# Altium PCB PCB.PcbDoc
Units mil, origin at the board's own origin, x right, y up, seen from the top; angles counter-clockwise.
Board outline 1355 x 1605 mil, 2 copper layers (Top Layer, Bottom Layer); 61 components, 59 nets, 261 pads, 62 vias.
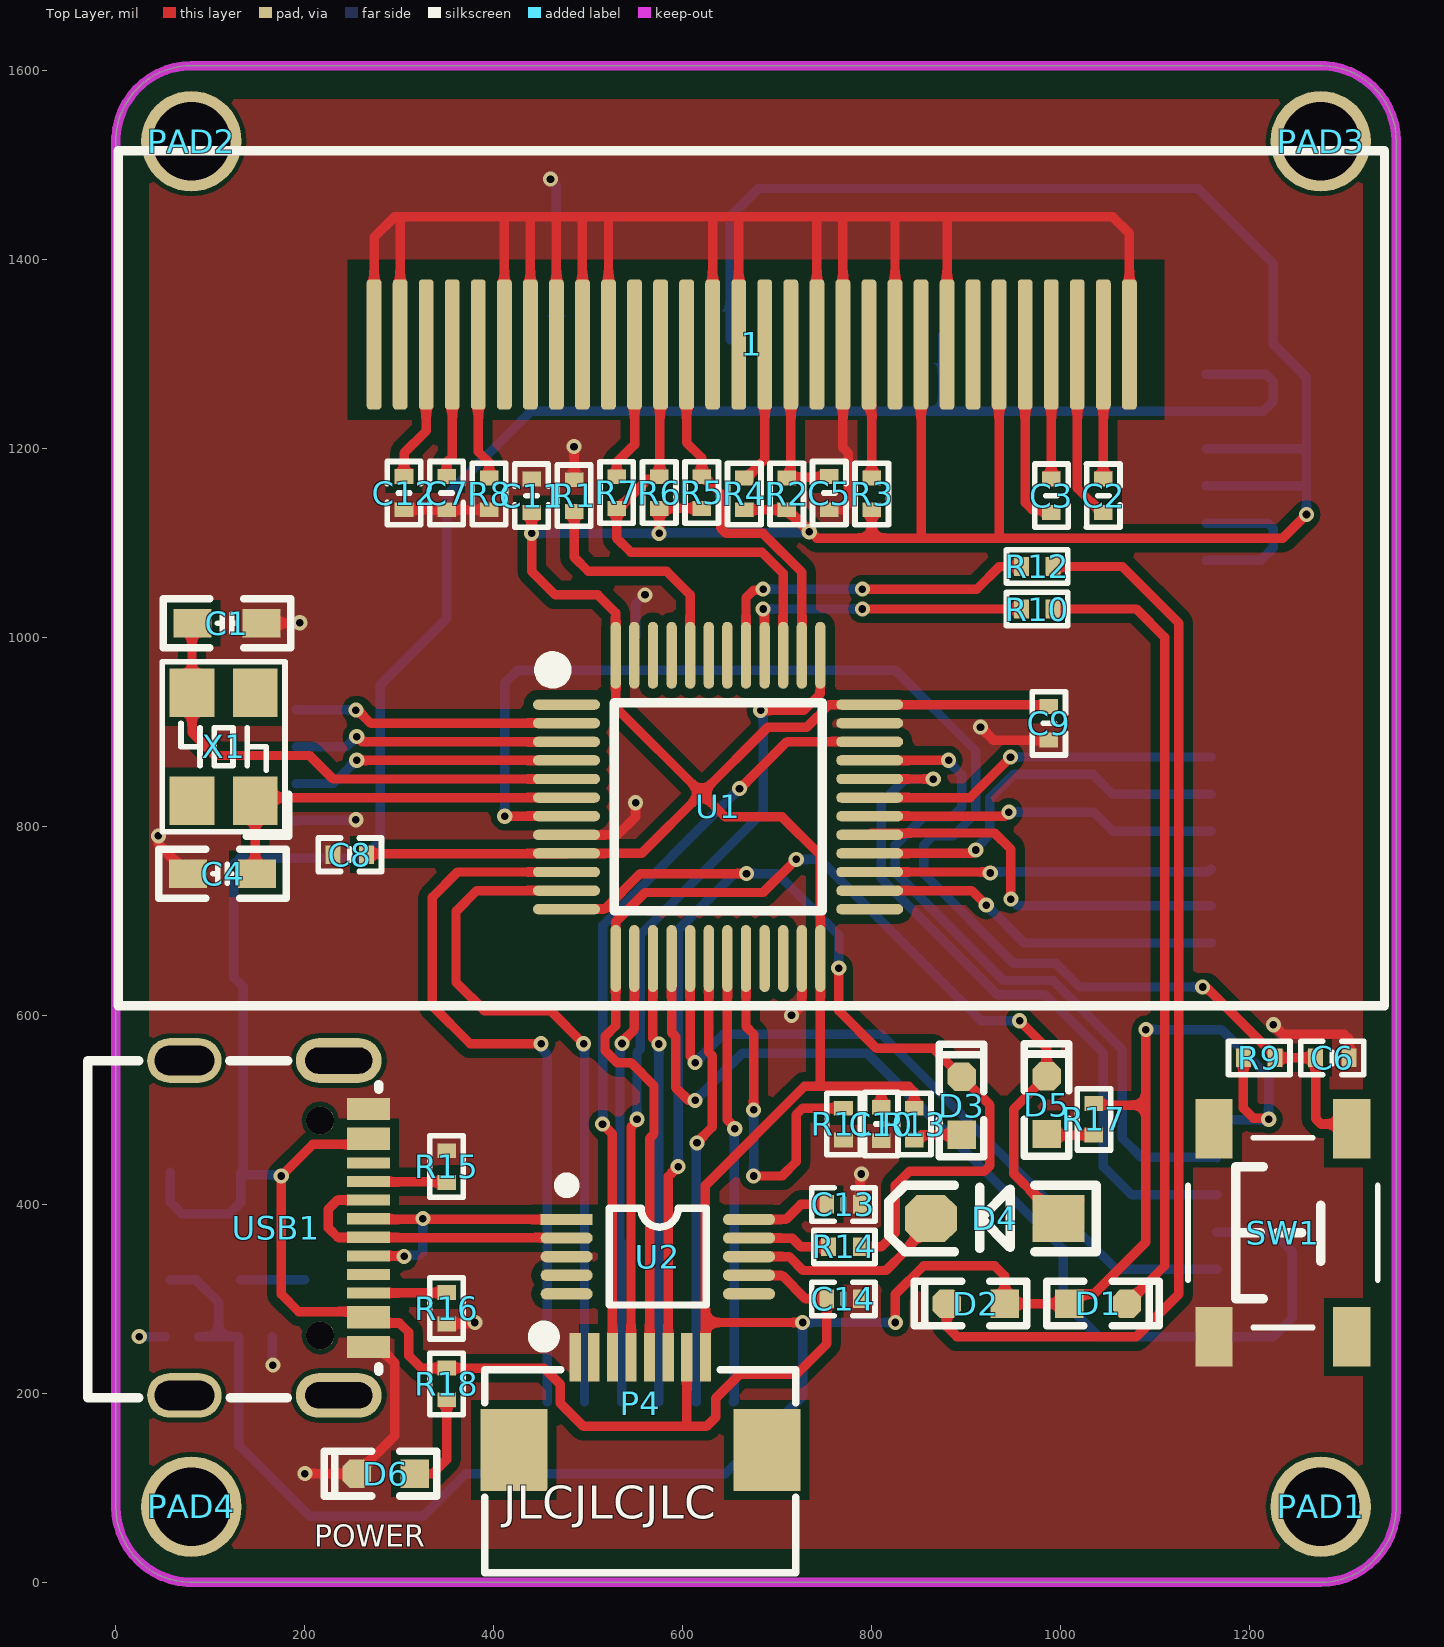
[diagram p0: Top Layer view]
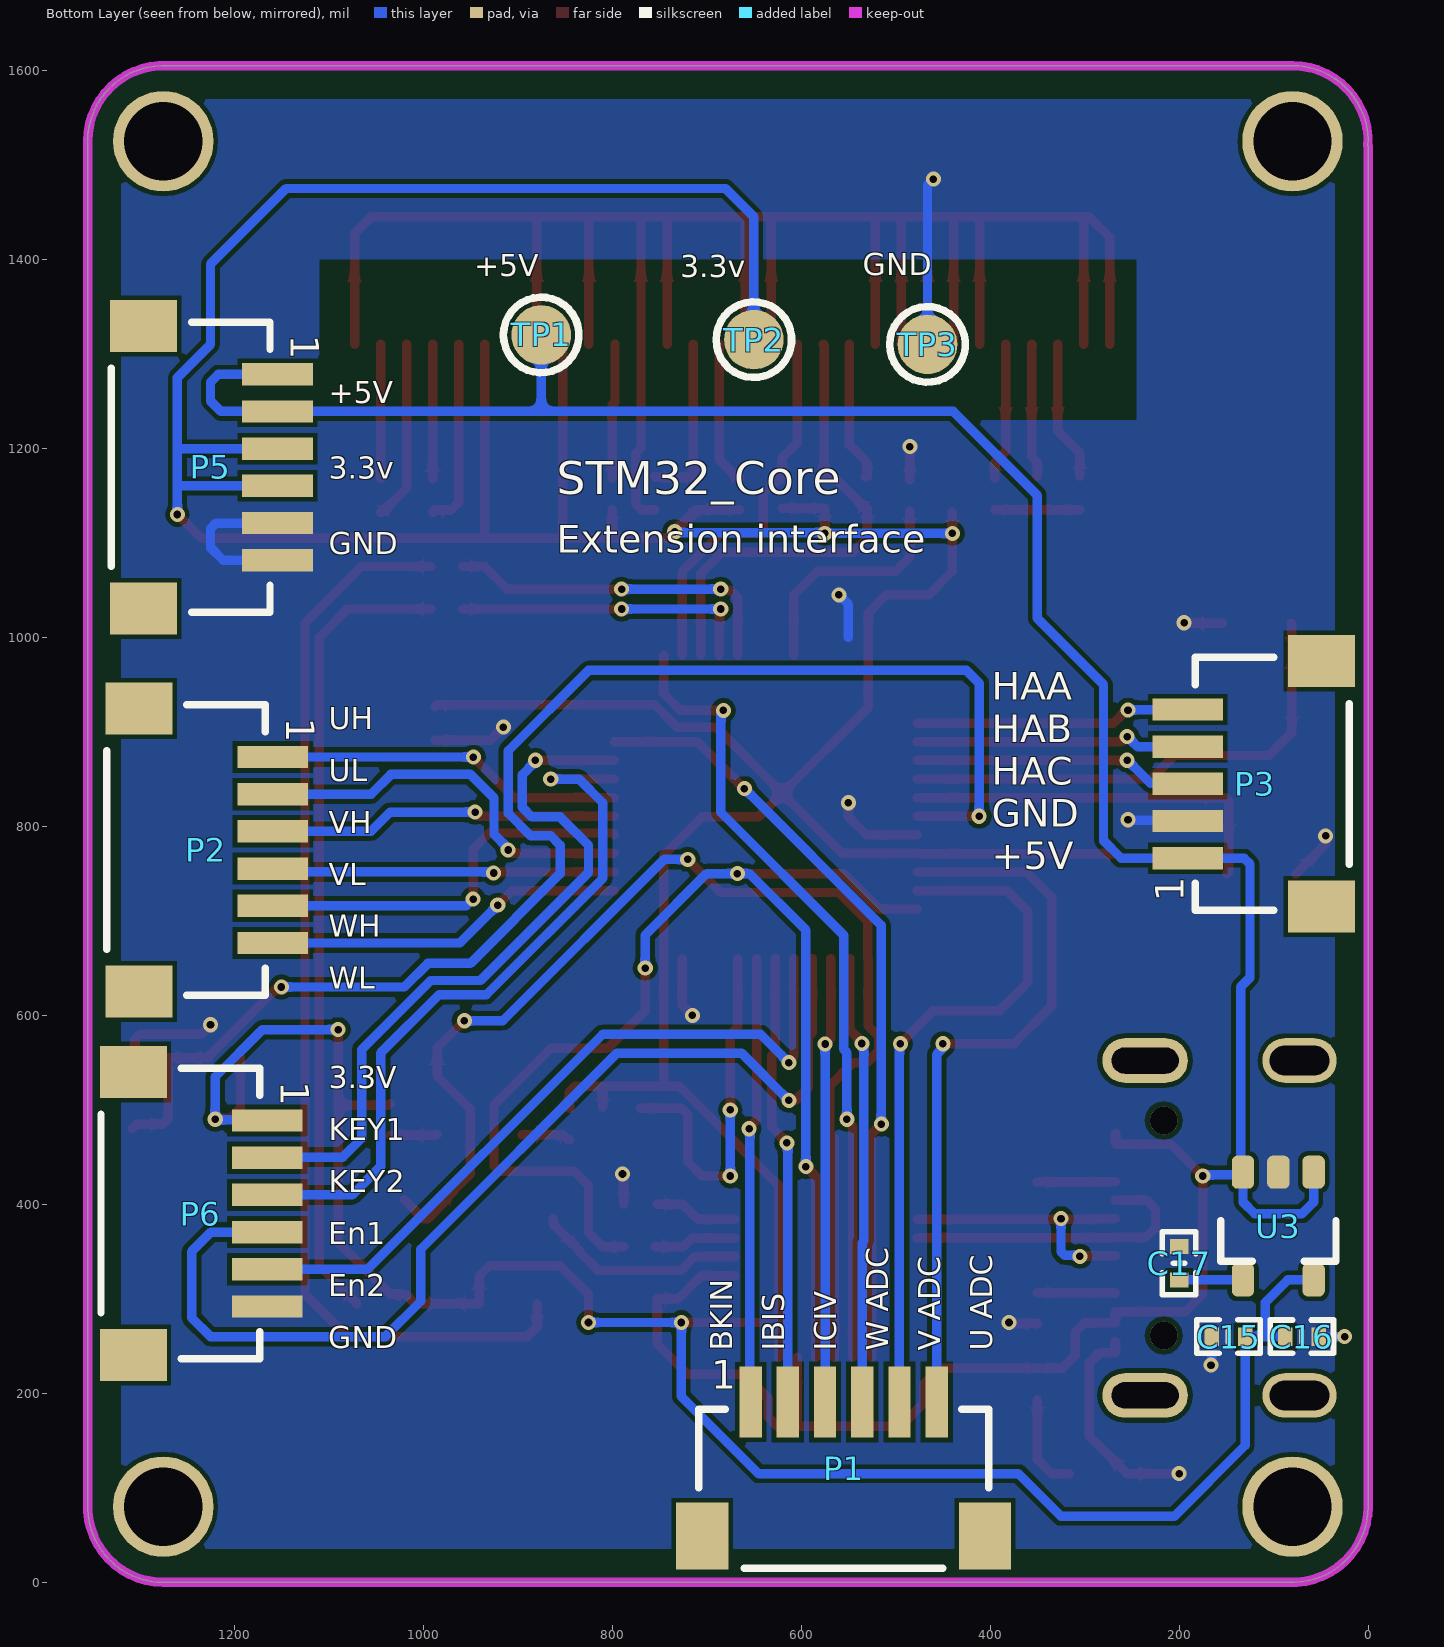
[diagram p1: Bottom Layer view, seen from below]
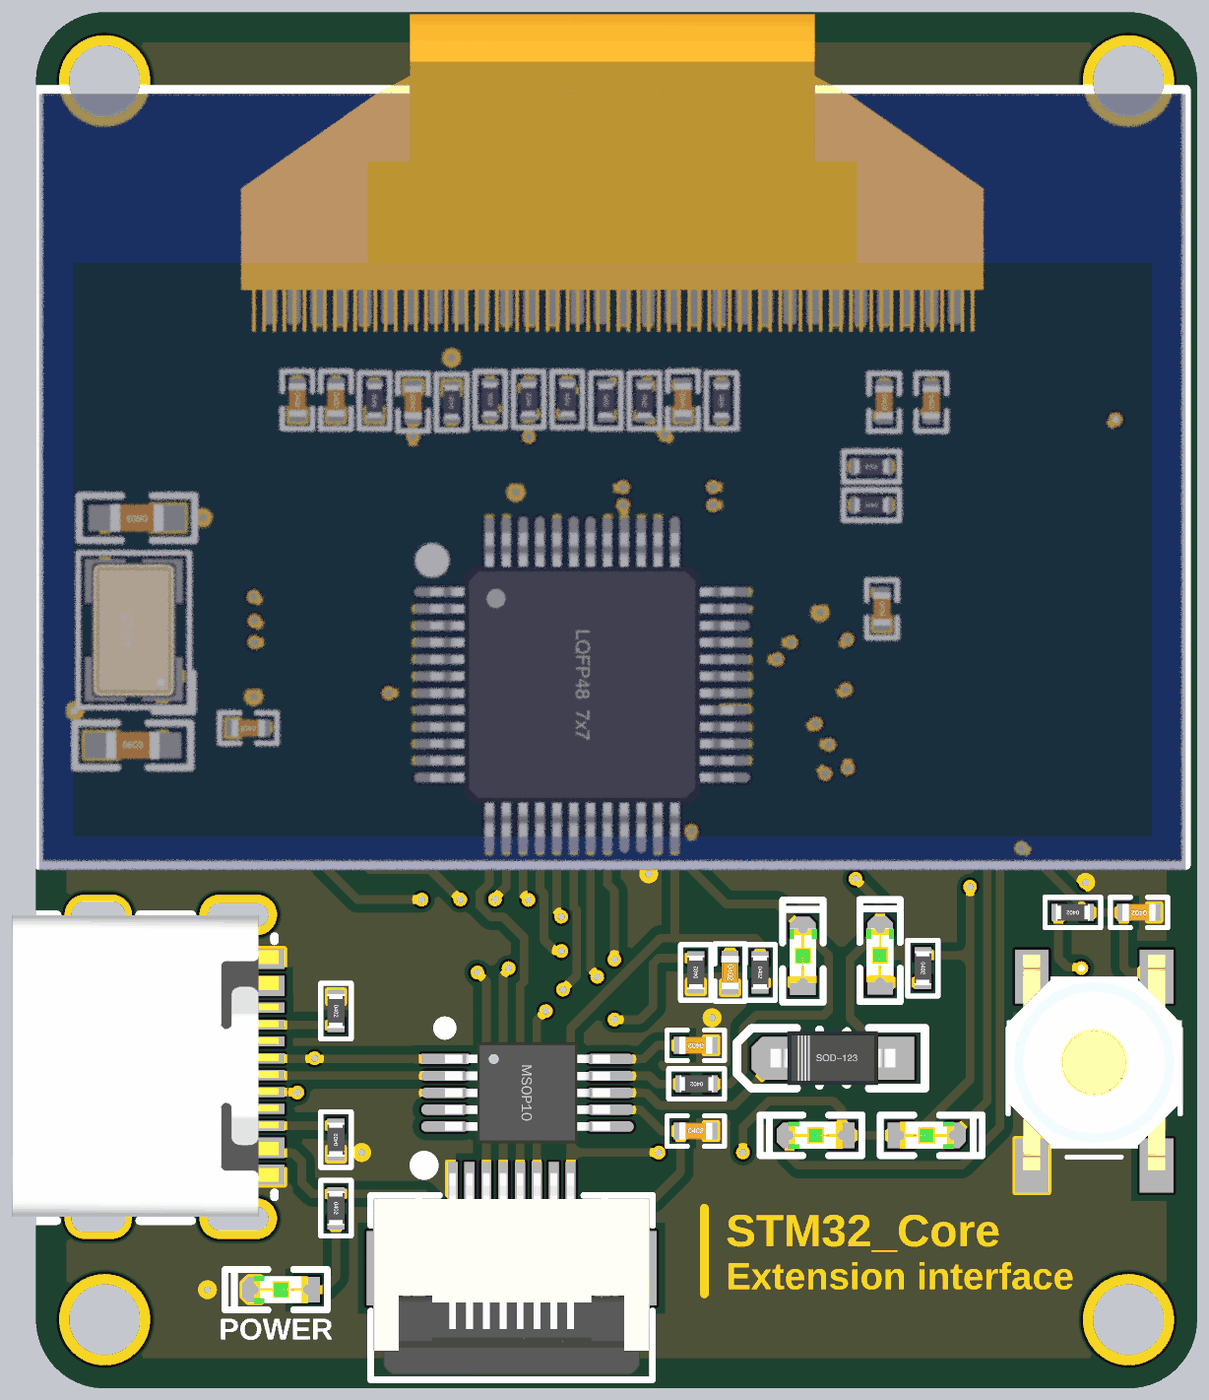
[diagram p2: 3D render of the assembled board from above, using the file's embedded part models]
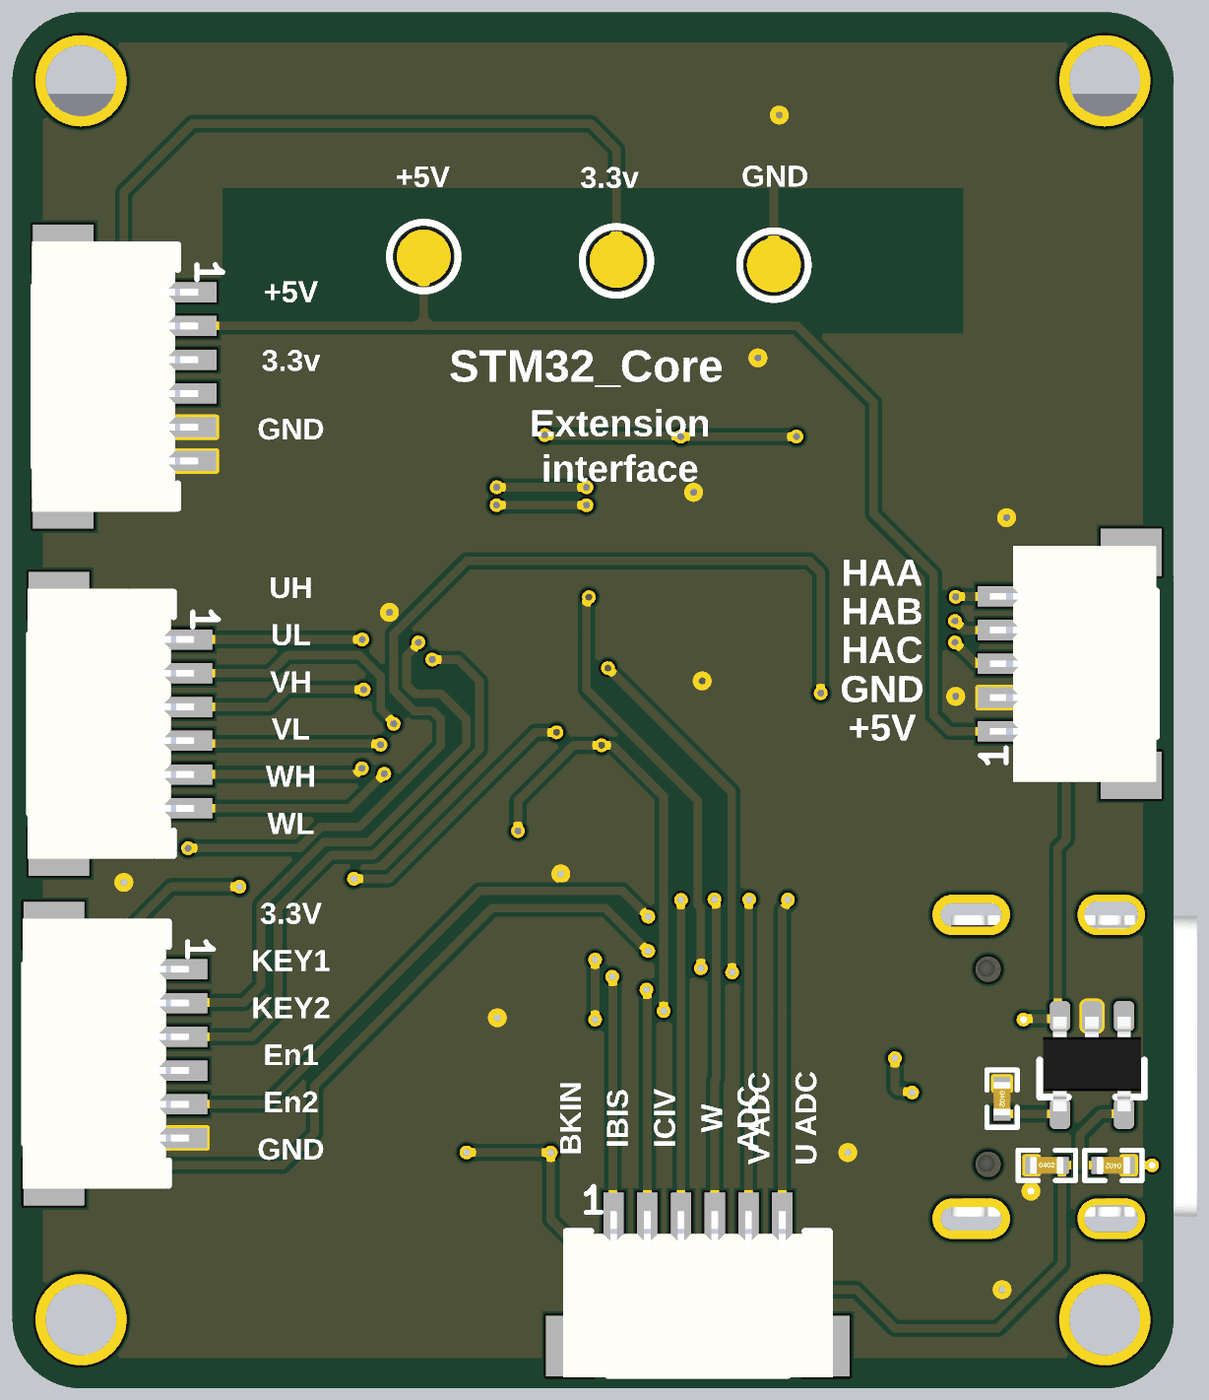
[diagram p3: 3D render of the assembled board from below, using the file's embedded part models]

## Layer stack, top to bottom
Top Solder: solder mask 0.4, Solder Resist, Dk 3.5
Top Layer: signal copper 1.4
Dielectric 1: dielectric 12.6, FR-4, Dk 4.8
Bottom Layer: signal copper 1.4
Bottom Solder: solder mask 0.4, Solder Resist, Dk 3.5

## Board outline
0,80 0,1520.3 0.14,1520.3 cw(c80,1525) 80,1605 1270.3,1605 1270.3,1604.86 cw(c1275,1525) 1355,1525 1355,84.7 1354.86,84.7 cw(c1275,80) 1275,0 84.7,0 84.7,0.14 cw(c80,80)

## Design rules (kind name [scope] priority, off if disabled: settings)
Clearance 覆铜与导线距离 [OnLayer('Top Layer') vs InPolygon] p1: gap=10 ignorepadtopadclearanceinfootprint=FALSE
Clearance 板边距 [OnLayer('Keep-Out Layer') vs InPolygon] p2: gap=30 ignorepadtopadclearanceinfootprint=FALSE
Clearance [All] p3: gap=5 ignorepadtopadclearanceinfootprint=FALSE
ComponentClearance [All] p1: gap=0 collisioncheckmode=3 verticalgap=0 showdistances=FALSE
DiffPairsRouting [All] p1: maxlimit=9 minlimit=9 mostfreqgap=9 toplayer_minwidth=4 toplayer_maxwidth=4 toplayer_prefwidth=4 bottomlayer_minwidth=4 bottomlayer_maxwidth=4 bottomlayer_prefwidth=4 maxuncoupledlength=500
FanoutControl Fanout_BGA [All] p1: bgadir=Out bgaviamode=Centered fanoutstyle=Auto fanoutdirection=Alternating viagrid=1 // Fanout_BGA (Default Rule)
HoleSize [All] p1: absolutevalues=TRUE maxlimit=10000 minlimit=8 maxpercent=80.000 minpercent=20.000
MinimumSolderMaskSliver [All] p1 off: minsoldermaskwidth=2
PlaneConnect [All] p1: planeconnectstyle=Direct reliefexpansion=20 reliefentries=4 reliefconductorwidth=10 reliefairgap=10
PolygonConnect [All] p1: connectstyle=Direct reliefconductorwidth=10 reliefentries=4 polygonreliefangle="90 Angle" airgapwidth=10
RoutingVias [All] p1: holewidth=8 width=16 viastyle="Through Hole" minholewidth=6 minwidth=12 maxholewidth=28 maxwidth=50
SilkToSilkClearance [All] p1: silktosilkclearance=0
SilkToSolderMaskClearance [IsPad] p1: minsilkscreentomaskgap=0 clearancetoexposedcopper=TRUE
SolderMaskExpansion [All] p1: expansion=3 istentingtop=FALSE
Width [All] p1: maxlimit=10000 minlimit=4 preferedwidth=10 minimp=50.000000 maximp=50.000000 favimp=50.000000
22 further rules are at their usual default settings.

## Classes and differential pairs
net class GND: GND

## Components (designator, comment, footprint, x,y, rotation, side; value= is the part's Value field where it differs from the comment)
1 "OLED-12864" OLED-12864-1.3-TOP 672.56,1040 r180 top locked
C1 "12P" C0603_M 117.6,1015.06 r180 top
C2 "1uF" C0402_L 1045,1150 r270 top value=0.1u
C3 "1uF" C0402_L 990,1150 r270 top value=0.1u
C4 "12P" C0603_M 112.92,749.9 r0 top
C5 "10uF" C0402_L 755,1152.71 r90 top value=0.1u
C6 "105" C0402_L 1287.28,555 r180 top
C7 "10uF" C0402_L 350,1152.71 r270 top value=0.1u
C8 "0.1uF" C0402_L 247.71,770 r180 top
C9 "0.1uF" C0402_L 987.34,908.99 r270 top
C10 "0.1uF" C0402_L 810,485 r270 top
C11 "0.1uF" C0402_L 440,1150 r90 top
C12 "1uF" C0402_L 305,1152.71 r270 top value=0.1u
C13 "104" C0402_L 770,400 r180 top
C14 "104" C0402_L 770,300 r0 top
C15 "0.1uF" C0402_L 147.71,260 r180 bottom value=0.1u
C16 "10uF" C0402_L 70,260 r0 bottom value=0.1u
C17 "10nF" C0402_L 200,337.71 r270 bottom value=0.1u
D1 "LED" LED0603_B 1039.41,295 r0 top
D2 "LED" LED0603_B 910,295 r180 top
D3 "LED0" LED0603_G 895,504.41 r90 top
D4 "1N4148" SOD-123 930,385 r180 top
D5 "LED0" LED0603_G 985,505 r90 top
D6 "LED0" LED0603_R 285.59,115 r180 top
P1 "SH1.0 6P" "SH 1.0-WS-6P" 555,120 r180 bottom
P2 "SH1.0 6P" "SH 1.0-WS-6P" 1230,775 r270 bottom
P3 "SH1.0 5P" "SH 1.0-LS-5P" 120,845 r90 bottom
P4 "Debug" "FPC0.5 2H-WS-8P" 555,140 r0 top
P5 "SH1.0 6P" "SH 1.0-WS-6P" 1225,1180 r270 bottom
P6 "SH1.0 6P" "SH 1.0-WS-6P" 1235.86,390.32 r270 bottom locked
PAD1 "M2" M2#1 1315,90 r90 top
PAD2 "M2" M2#2 105,1525 r90 top
PAD3 "M2" M2#3 1285,1515 r90 top
PAD4 "M2" M2#4 110,70 r90 top
R1 "10K" R0402_L 485,1150 r90 top
R2 "10K" R0402_L 710,1151.73 r270 top value=22R
R3 "10K" R0402_L 800,1151.73 r90 top value=22R
R4 "4.7K" R0402_L 665,1151.73 r270 top value=22R
R5 "10K" R0402_L 620,1153.27 r90 top value=22R
R6 "10K" R0402_L 575,1153.27 r90 top value=22R
R7 "0R" R0402_L 530,1153.27 r270 top value=22R
R8 "1M" R0402_L 395,1151.73 r90 top value=22R
R9 "10K" R0402_L 1210,555 r180 top
R10 "2K" R0402_L 975,1030 r180 top
R11 "10K" R0402_L 770,485 r90 top
R12 "2K" R0402_L 975,1075 r180 top
R13 "2K" R0402_L 845,485 r270 top value=22R
R14 "100" R0402_L 770.98,355 r180 top value=22R
R15 "5.1K" R0402_L 350,440 r270 top value=22R
R16 "5.1K" R0402_L 350,290 r90 top value=22R
R17 "2K" R0402_L 1035,490 r270 top value=22R
R18 "2K" R0402_L 350,210 r270 top value=22R
SW1 "6x6x5" "TSW SMD-4*4*1.5" 1235,370 r90 top
TP1 "TEST" "TEST 1.6" 875,1320 r180 bottom
TP2 "TEST" "TEST 1.6" 650,1315 r180 bottom
TP3 "TEST" "TEST 1.6" 466.26,1310 r180 bottom
U1 "STM32F103C8T6" LQFP48-7*7 637.32,820.61 r270 top
U2 "CH340E" MSOP10_M 573.54,344.68 r270 top
U3 "LP2992 3V3" SOT23-5 95,375 r270 bottom
USB1 "Type-C" USB-C-SMD_16P 170,375 r90 top
X1 "8MHz" "OSC 4025-4P" 114.06,884.25 r90 top

## Footprints (in the part's own frame and the unit in brackets; to place one, negate y for a bottom-side part, rotate by r counter-clockwise, add the part's x,y. Pads: shape width x height; smd on the part's side, far side on the other; paste and mask are expansions set on the pad)
C0402_L [mm] "无极性贴片电容"
  rect 0.4x0.5 smd: 1(-0.45,0) 2(0.45,0)
  silkscreen extent -0.85,-0.45 0.85,0.45, body extent -0.5,-0.26 0.5,0.26, height 0.54
C0603_M [mil] "无极性贴片电容"
  rect 40x30 smd: 1(-36.5,0) 2(36.5,0)
  silkscreen extent -68,-26 67,26, body extent -31,-16 32,16, height 33
"FPC0.5 2H-WS-8P" [mm] "长：8.2mm，宽：5.2mm，高：2mm 淘宝ID:黄晶宝石   店铺网址:https://shop463601444.taobao.com"
  rect 1.8x2.2 smd: 0(-3.4,0) 0(3.4,0)
  rect 0.3x1.3 smd: 1(-1.75,2.497) 2(-1.25,2.497) 3(-0.75,2.497) 4(-0.25,2.497) 5(0.25,2.497) 6(0.75,2.497) 7(1.25,2.497) 8(1.75,2.497)
  silkscreen extent -4.17,-3.3 4.17,3.23, body extent -4.1,-3.15 4.1,2.85, height 2
LED0603_B [mil] "蓝色0603LED"
  rect 30x30 smd: 1(-30.59,0)
  oct 30x30 smd: 2(30.59,0)
  silkscreen extent -54,-24 65,24, body extent -32,-16 31,16, height 24
LED0603_G [mil] "绿色0603LED"
  rect 30x30 smd: 1(-30.59,0)
  oct 30x30 smd: 2(30.59,0)
  silkscreen extent -54,-24 65,24, body extent -32,-16 31,16, height 24
LED0603_R [mil] "红色0603LED"
  rect 30x30 smd: 1(-30.59,0)
  oct 30x30 smd: 2(30.59,0)
  silkscreen extent -54,-24 65,24, body extent -31,-16 31,16, height 24
LQFP48-7*7 [mm] "7x7mm，0.5mm"
  oval 0.279x1.8 smd: 1(-2.75,-4.075) 2(-2.25,-4.075) 3(-1.75,-4.075) 4(-1.25,-4.075) 5(-0.75,-4.075) 6(-0.25,-4.075) 7(0.25,-4.075) 8(0.75,-4.075) 9(1.25,-4.075) 10(1.75,-4.075) 11(2.25,-4.075) 12(2.75,-4.075) 25(2.75,4.075) 26(2.25,4.075) 27(1.75,4.075) 28(1.25,4.075) 29(0.75,4.075) 30(0.25,4.075) 31(-0.25,4.075) 32(-0.75,4.075) 33(-1.25,4.075) 34(-1.75,4.075) 35(-2.25,4.075) 36(-2.75,4.075)
  oval 1.8x0.279 smd: 13(4.075,-2.75) 14(4.075,-2.25) 15(4.075,-1.75) 16(4.075,-1.25) 17(4.075,-0.75) 18(4.075,-0.25) 19(4.075,0.25) 20(4.075,0.75) 21(4.075,1.25) 22(4.075,1.75) 23(4.075,2.25) 24(4.075,2.75) 37(-4.075,2.75) 38(-4.075,2.25) 39(-4.075,1.75) 40(-4.075,1.25) 41(-4.075,0.75) 42(-4.075,0.25) 43(-4.075,-0.25) 44(-4.075,-0.75) 45(-4.075,-1.25) 46(-4.075,-1.75) 47(-4.075,-2.25) 48(-4.075,-2.75)
  silkscreen extent -3.93,-4.69 2.79,2.79, body extent -4.5,-4.5 4.5,4.5, height 1.45
M2#1 [mm]
  round 2.7 hole 2.1: 1(-0.254,1.016)
M2#2 [mm]
  round 2.7 hole 2.1: 1(0,0.635)
M2#3 [mm]
  round 2.7 hole 2.1: 1(0.254,0.254)
M2#4 [mm]
  round 2.7 hole 2.1: 1(0.254,0.762)
MSOP10_M [mm] "塑封体长3mm，宽3mm，脚距0.5mm      淘宝ID:黄晶宝石"
  rect 0.305x1.4 smd: 1(-1,-2.45)
  oval 0.305x1.4 smd: 2(-0.5,-2.45) 3(0,-2.45) 4(0.5,-2.45) 5(1,-2.45) 6(1,2.45) 7(0.5,2.45) 8(0,2.45) 9(-0.5,2.45) 10(-1,2.45)
  silkscreen extent -2.07,-2.6 1.3,1.3, body extent -1.5,-2.45 1.5,2.45, height 0.95
OLED-12864-1.3-TOP [mm]